# KiCad board oibus-mini-CCC_PANEL.kicad_pcb (continued)
## Placement (name value [footprint] x y rotation side) (continued)
U4#20  MCP73831-2-OT  [SOT-23-5]  128.75 138.76 180 top
U4#21  MCP73831-2-OT  [SOT-23-5]  54.75 138.76 180 top
U4#22  MCP73831-2-OT  [SOT-23-5]  165.75 138.76 180 top
U4#23  MCP73831-2-OT  [SOT-23-5]  17.75 204.76 180 top
U4#24  MCP73831-2-OT  [SOT-23-5]  276.75 138.76 180 top
U4#25  MCP73831-2-OT  [SOT-23-5]  239.75 138.76 180 top
U4#26  MCP73831-2-OT  [SOT-23-5]  202.75 204.76 180 top
U4#27  MCP73831-2-OT  [SOT-23-5]  91.75 204.76 180 top
U4#28  MCP73831-2-OT  [SOT-23-5]  128.75 204.76 180 top
U4#29  MCP73831-2-OT  [SOT-23-5]  54.75 204.76 180 top
U4#30  MCP73831-2-OT  [SOT-23-5]  165.75 204.76 180 top
U4#31  MCP73831-2-OT  [SOT-23-5]  276.75 204.76 180 top
U4#32  MCP73831-2-OT  [SOT-23-5]  239.75 204.76 180 top
U5  MCP1624T  [SOT-23-6]  15.8 21.16 270 top
U5#2  MCP1624T  [SOT-23-6]  52.8 21.16 270 top
U5#3  MCP1624T  [SOT-23-6]  89.8 21.16 270 top
U5#4  MCP1624T  [SOT-23-6]  126.8 21.16 270 top
U5#5  MCP1624T  [SOT-23-6]  163.8 21.16 270 top
U5#6  MCP1624T  [SOT-23-6]  200.8 21.16 270 top
U5#7  MCP1624T  [SOT-23-6]  274.8 21.16 270 top
U5#8  MCP1624T  [SOT-23-6]  237.8 21.16 270 top
U5#9  MCP1624T  [SOT-23-6]  15.8 87.16 270 top
U5#10  MCP1624T  [SOT-23-6]  200.8 87.16 270 top
U5#11  MCP1624T  [SOT-23-6]  89.8 87.16 270 top
U5#12  MCP1624T  [SOT-23-6]  126.8 87.16 270 top
U5#13  MCP1624T  [SOT-23-6]  52.8 87.16 270 top
U5#14  MCP1624T  [SOT-23-6]  163.8 87.16 270 top
U5#15  MCP1624T  [SOT-23-6]  274.8 87.16 270 top
U5#16  MCP1624T  [SOT-23-6]  237.8 87.16 270 top
U5#17  MCP1624T  [SOT-23-6]  15.8 153.16 270 top
U5#18  MCP1624T  [SOT-23-6]  200.8 153.16 270 top
U5#19  MCP1624T  [SOT-23-6]  89.8 153.16 270 top
U5#20  MCP1624T  [SOT-23-6]  126.8 153.16 270 top
U5#21  MCP1624T  [SOT-23-6]  52.8 153.16 270 top
U5#22  MCP1624T  [SOT-23-6]  163.8 153.16 270 top
U5#23  MCP1624T  [SOT-23-6]  274.8 153.16 270 top
U5#24  MCP1624T  [SOT-23-6]  15.8 219.16 270 top
U5#25  MCP1624T  [SOT-23-6]  237.8 153.16 270 top
U5#26  MCP1624T  [SOT-23-6]  200.8 219.16 270 top
U5#27  MCP1624T  [SOT-23-6]  89.8 219.16 270 top
U5#28  MCP1624T  [SOT-23-6]  126.8 219.16 270 top
U5#29  MCP1624T  [SOT-23-6]  52.8 219.16 270 top
U5#30  MCP1624T  [SOT-23-6]  163.8 219.16 270 top
U5#31  MCP1624T  [SOT-23-6]  274.8 219.16 270 top
U5#32  MCP1624T  [SOT-23-6]  237.8 219.16 270 top
U6  SHT31-DIS-B  [SON50P250X250X100-9N]  4 20.81 0 top
U6#2  SHT31-DIS-B  [SON50P250X250X100-9N]  41 20.81 0 top
U6#3  SHT31-DIS-B  [SON50P250X250X100-9N]  78 20.81 0 top
U6#4  SHT31-DIS-B  [SON50P250X250X100-9N]  115 20.81 0 top
U6#5  SHT31-DIS-B  [SON50P250X250X100-9N]  152 20.81 0 top
U6#6  SHT31-DIS-B  [SON50P250X250X100-9N]  189 20.81 0 top
U6#7  SHT31-DIS-B  [SON50P250X250X100-9N]  226 20.81 0 top
U6#8  SHT31-DIS-B  [SON50P250X250X100-9N]  263 20.81 0 top
U6#9  SHT31-DIS-B  [SON50P250X250X100-9N]  78 86.81 0 top
U6#10  SHT31-DIS-B  [SON50P250X250X100-9N]  4 86.81 0 top
U6#11  SHT31-DIS-B  [SON50P250X250X100-9N]  115 86.81 0 top
U6#12  SHT31-DIS-B  [SON50P250X250X100-9N]  41 86.81 0 top
U6#13  SHT31-DIS-B  [SON50P250X250X100-9N]  152 86.81 0 top
U6#14  SHT31-DIS-B  [SON50P250X250X100-9N]  189 86.81 0 top
U6#15  SHT31-DIS-B  [SON50P250X250X100-9N]  226 86.81 0 top
U6#16  SHT31-DIS-B  [SON50P250X250X100-9N]  263 86.81 0 top
U6#17  SHT31-DIS-B  [SON50P250X250X100-9N]  78 152.81 0 top
U6#18  SHT31-DIS-B  [SON50P250X250X100-9N]  4 152.81 0 top
U6#19  SHT31-DIS-B  [SON50P250X250X100-9N]  115 152.81 0 top
U6#20  SHT31-DIS-B  [SON50P250X250X100-9N]  41 152.81 0 top
U6#21  SHT31-DIS-B  [SON50P250X250X100-9N]  152 152.81 0 top
U6#22  SHT31-DIS-B  [SON50P250X250X100-9N]  189 152.81 0 top
U6#23  SHT31-DIS-B  [SON50P250X250X100-9N]  78 218.81 0 top
U6#24  SHT31-DIS-B  [SON50P250X250X100-9N]  4 218.81 0 top
U6#25  SHT31-DIS-B  [SON50P250X250X100-9N]  226 152.81 0 top
U6#26  SHT31-DIS-B  [SON50P250X250X100-9N]  263 152.81 0 top
U6#27  SHT31-DIS-B  [SON50P250X250X100-9N]  115 218.81 0 top
U6#28  SHT31-DIS-B  [SON50P250X250X100-9N]  41 218.81 0 top
U6#29  SHT31-DIS-B  [SON50P250X250X100-9N]  152 218.81 0 top
U6#30  SHT31-DIS-B  [SON50P250X250X100-9N]  189 218.81 0 top
U6#31  SHT31-DIS-B  [SON50P250X250X100-9N]  226 218.81 0 top
U6#32  SHT31-DIS-B  [SON50P250X250X100-9N]  263 218.81 0 top
U7  TCAN330  [SOT-23-8]  30.7 26.41 270 top
U7#2  TCAN330  [SOT-23-8]  67.7 26.41 270 top
U7#3  TCAN330  [SOT-23-8]  141.7 26.41 270 top
U7#4  TCAN330  [SOT-23-8]  104.7 26.41 270 top
U7#5  TCAN330  [SOT-23-8]  215.7 26.41 270 top
U7#6  TCAN330  [SOT-23-8]  178.7 26.41 270 top
U7#7  TCAN330  [SOT-23-8]  289.7 26.41 270 top
U7#8  TCAN330  [SOT-23-8]  252.7 26.41 270 top
U7#9  TCAN330  [SOT-23-8]  67.7 92.41 270 top
U7#10  TCAN330  [SOT-23-8]  30.7 92.41 270 top
U7#11  TCAN330  [SOT-23-8]  215.7 92.41 270 top
U7#12  TCAN330  [SOT-23-8]  178.7 92.41 270 top
U7#13  TCAN330  [SOT-23-8]  141.7 92.41 270 top
U7#14  TCAN330  [SOT-23-8]  104.7 92.41 270 top
U7#15  TCAN330  [SOT-23-8]  289.7 92.41 270 top
U7#16  TCAN330  [SOT-23-8]  252.7 92.41 270 top
U7#17  TCAN330  [SOT-23-8]  67.7 158.41 270 top
U7#18  TCAN330  [SOT-23-8]  30.7 158.41 270 top
U7#19  TCAN330  [SOT-23-8]  215.7 158.41 270 top
U7#20  TCAN330  [SOT-23-8]  178.7 158.41 270 top
U7#21  TCAN330  [SOT-23-8]  141.7 158.41 270 top
U7#22  TCAN330  [SOT-23-8]  104.7 158.41 270 top
U7#23  TCAN330  [SOT-23-8]  67.7 224.41 270 top
U7#24  TCAN330  [SOT-23-8]  30.7 224.41 270 top
U7#25  TCAN330  [SOT-23-8]  289.7 158.41 270 top
U7#26  TCAN330  [SOT-23-8]  252.7 158.41 270 top
U7#27  TCAN330  [SOT-23-8]  215.7 224.41 270 top
U7#28  TCAN330  [SOT-23-8]  178.7 224.41 270 top
U7#29  TCAN330  [SOT-23-8]  141.7 224.41 270 top
U7#30  TCAN330  [SOT-23-8]  104.7 224.41 270 top
U7#31  TCAN330  [SOT-23-8]  289.7 224.41 270 top
U7#32  TCAN330  [SOT-23-8]  252.7 224.41 270 top
U8  STM32F303CCTx  [LQFP-48_7x7mm_P0.5mm]  26.14 36.51 180 top
U8#2  STM32F303CCTx  [LQFP-48_7x7mm_P0.5mm]  63.14 36.51 180 top
U8#3  STM32F303CCTx  [LQFP-48_7x7mm_P0.5mm]  137.14 36.51 180 top
U8#4  STM32F303CCTx  [LQFP-48_7x7mm_P0.5mm]  100.14 36.51 180 top
U8#5  STM32F303CCTx  [LQFP-48_7x7mm_P0.5mm]  211.14 36.51 180 top
U8#6  STM32F303CCTx  [LQFP-48_7x7mm_P0.5mm]  174.14 36.51 180 top
U8#7  STM32F303CCTx  [LQFP-48_7x7mm_P0.5mm]  248.14 36.51 180 top
U8#8  STM32F303CCTx  [LQFP-48_7x7mm_P0.5mm]  285.14 36.51 180 top
U8#9  STM32F303CCTx  [LQFP-48_7x7mm_P0.5mm]  63.14 102.51 180 top
U8#10  STM32F303CCTx  [LQFP-48_7x7mm_P0.5mm]  137.14 102.51 180 top
U8#11  STM32F303CCTx  [LQFP-48_7x7mm_P0.5mm]  26.14 102.51 180 top
U8#12  STM32F303CCTx  [LQFP-48_7x7mm_P0.5mm]  174.14 102.51 180 top
U8#13  STM32F303CCTx  [LQFP-48_7x7mm_P0.5mm]  100.14 102.51 180 top
U8#14  STM32F303CCTx  [LQFP-48_7x7mm_P0.5mm]  211.14 102.51 180 top
U8#15  STM32F303CCTx  [LQFP-48_7x7mm_P0.5mm]  248.14 102.51 180 top
U8#16  STM32F303CCTx  [LQFP-48_7x7mm_P0.5mm]  285.14 102.51 180 top
U8#17  STM32F303CCTx  [LQFP-48_7x7mm_P0.5mm]  63.14 168.51 180 top
U8#18  STM32F303CCTx  [LQFP-48_7x7mm_P0.5mm]  137.14 168.51 180 top
U8#19  STM32F303CCTx  [LQFP-48_7x7mm_P0.5mm]  26.14 168.51 180 top
U8#20  STM32F303CCTx  [LQFP-48_7x7mm_P0.5mm]  174.14 168.51 180 top
U8#21  STM32F303CCTx  [LQFP-48_7x7mm_P0.5mm]  63.14 234.51 180 top
U8#22  STM32F303CCTx  [LQFP-48_7x7mm_P0.5mm]  100.14 168.51 180 top
U8#23  STM32F303CCTx  [LQFP-48_7x7mm_P0.5mm]  211.14 168.51 180 top
U8#24  STM32F303CCTx  [LQFP-48_7x7mm_P0.5mm]  137.14 234.51 180 top
U8#25  STM32F303CCTx  [LQFP-48_7x7mm_P0.5mm]  26.14 234.51 180 top
U8#26  STM32F303CCTx  [LQFP-48_7x7mm_P0.5mm]  248.14 168.51 180 top
U8#27  STM32F303CCTx  [LQFP-48_7x7mm_P0.5mm]  285.14 168.51 180 top
U8#28  STM32F303CCTx  [LQFP-48_7x7mm_P0.5mm]  174.14 234.51 180 top
U8#29  STM32F303CCTx  [LQFP-48_7x7mm_P0.5mm]  100.14 234.51 180 top
U8#30  STM32F303CCTx  [LQFP-48_7x7mm_P0.5mm]  211.14 234.51 180 top
U8#31  STM32F303CCTx  [LQFP-48_7x7mm_P0.5mm]  248.14 234.51 180 top
U8#32  STM32F303CCTx  [LQFP-48_7x7mm_P0.5mm]  285.14 234.51 180 top
U9  DW01C-G  [SOT-23-6]  13.94 3.61 90 top
U9#2  DW01C-G  [SOT-23-6]  50.94 3.61 90 top
U9#3  DW01C-G  [SOT-23-6]  87.94 3.61 90 top
U9#4  DW01C-G  [SOT-23-6]  124.94 3.61 90 top
U9#5  DW01C-G  [SOT-23-6]  161.94 3.61 90 top
U9#6  DW01C-G  [SOT-23-6]  198.94 3.61 90 top
U9#7  DW01C-G  [SOT-23-6]  272.94 3.61 90 top
U9#8  DW01C-G  [SOT-23-6]  235.94 3.61 90 top
U9#9  DW01C-G  [SOT-23-6]  13.94 69.61 90 top
U9#10  DW01C-G  [SOT-23-6]  198.94 69.61 90 top
U9#11  DW01C-G  [SOT-23-6]  87.94 69.61 90 top
U9#12  DW01C-G  [SOT-23-6]  124.94 69.61 90 top
U9#13  DW01C-G  [SOT-23-6]  50.94 69.61 90 top
U9#14  DW01C-G  [SOT-23-6]  161.94 69.61 90 top
U9#15  DW01C-G  [SOT-23-6]  272.94 69.61 90 top
U9#16  DW01C-G  [SOT-23-6]  235.94 69.61 90 top
U9#17  DW01C-G  [SOT-23-6]  13.94 135.61 90 top
U9#18  DW01C-G  [SOT-23-6]  198.94 135.61 90 top
U9#19  DW01C-G  [SOT-23-6]  87.94 135.61 90 top
U9#20  DW01C-G  [SOT-23-6]  124.94 135.61 90 top
U9#21  DW01C-G  [SOT-23-6]  50.94 135.61 90 top
U9#22  DW01C-G  [SOT-23-6]  161.94 135.61 90 top
U9#23  DW01C-G  [SOT-23-6]  13.94 201.61 90 top
U9#24  DW01C-G  [SOT-23-6]  272.94 135.61 90 top
U9#25  DW01C-G  [SOT-23-6]  235.94 135.61 90 top
U9#26  DW01C-G  [SOT-23-6]  198.94 201.61 90 top
U9#27  DW01C-G  [SOT-23-6]  87.94 201.61 90 top
U9#28  DW01C-G  [SOT-23-6]  124.94 201.61 90 top
U9#29  DW01C-G  [SOT-23-6]  50.94 201.61 90 top
U9#30  DW01C-G  [SOT-23-6]  161.94 201.61 90 top
U9#31  DW01C-G  [SOT-23-6]  272.94 201.61 90 top
U9#32  DW01C-G  [SOT-23-6]  235.94 201.61 90 top
U10  TPD3E001DRLR  [SOT-553]  8 12.51 0 top
U10#2  TPD3E001DRLR  [SOT-553]  45 12.51 0 top
U10#3  TPD3E001DRLR  [SOT-553]  82 12.51 0 top
U10#4  TPD3E001DRLR  [SOT-553]  119 12.51 0 top
U10#5  TPD3E001DRLR  [SOT-553]  156 12.51 0 top
U10#6  TPD3E001DRLR  [SOT-553]  193 12.51 0 top
U10#7  TPD3E001DRLR  [SOT-553]  267 12.51 0 top
U10#8  TPD3E001DRLR  [SOT-553]  230 12.51 0 top
U10#9  TPD3E001DRLR  [SOT-553]  8 78.51 0 top
U10#10  TPD3E001DRLR  [SOT-553]  193 78.51 0 top
U10#11  TPD3E001DRLR  [SOT-553]  82 78.51 0 top
U10#12  TPD3E001DRLR  [SOT-553]  119 78.51 0 top
U10#13  TPD3E001DRLR  [SOT-553]  45 78.51 0 top
U10#14  TPD3E001DRLR  [SOT-553]  156 78.51 0 top
U10#15  TPD3E001DRLR  [SOT-553]  267 78.51 0 top
U10#16  TPD3E001DRLR  [SOT-553]  230 78.51 0 top
U10#17  TPD3E001DRLR  [SOT-553]  8 144.51 0 top
U10#18  TPD3E001DRLR  [SOT-553]  193 144.51 0 top
U10#19  TPD3E001DRLR  [SOT-553]  82 144.51 0 top
U10#20  TPD3E001DRLR  [SOT-553]  119 144.51 0 top
U10#21  TPD3E001DRLR  [SOT-553]  45 144.51 0 top
U10#22  TPD3E001DRLR  [SOT-553]  156 144.51 0 top
U10#23  TPD3E001DRLR  [SOT-553]  267 144.51 0 top
U10#24  TPD3E001DRLR  [SOT-553]  8 210.51 0 top
U10#25  TPD3E001DRLR  [SOT-553]  230 144.51 0 top
U10#26  TPD3E001DRLR  [SOT-553]  193 210.51 0 top
U10#27  TPD3E001DRLR  [SOT-553]  82 210.51 0 top
U10#28  TPD3E001DRLR  [SOT-553]  119 210.51 0 top
U10#29  TPD3E001DRLR  [SOT-553]  45 210.51 0 top
U10#30  TPD3E001DRLR  [SOT-553]  156 210.51 0 top
U10#31  TPD3E001DRLR  [SOT-553]  267 210.51 0 top
U10#32  TPD3E001DRLR  [SOT-553]  230 210.51 0 top
Y1  16M  [Crystal_SMD_SeikoEpson_FA238-4Pin_3.2x2.5mm]  35.04 39.26 90 top
Y1#2  16M  [Crystal_SMD_SeikoEpson_FA238-4Pin_3.2x2.5mm]  72.04 39.26 90 top
Y1#3  16M  [Crystal_SMD_SeikoEpson_FA238-4Pin_3.2x2.5mm]  146.04 39.26 90 top
Y1#4  16M  [Crystal_SMD_SeikoEpson_FA238-4Pin_3.2x2.5mm]  109.04 39.26 90 top
Y1#5  16M  [Crystal_SMD_SeikoEpson_FA238-4Pin_3.2x2.5mm]  220.04 39.26 90 top
Y1#6  16M  [Crystal_SMD_SeikoEpson_FA238-4Pin_3.2x2.5mm]  183.04 39.26 90 top
Y1#7  16M  [Crystal_SMD_SeikoEpson_FA238-4Pin_3.2x2.5mm]  294.04 39.26 90 top
Y1#8  16M  [Crystal_SMD_SeikoEpson_FA238-4Pin_3.2x2.5mm]  257.04 39.26 90 top
Y1#9  16M  [Crystal_SMD_SeikoEpson_FA238-4Pin_3.2x2.5mm]  72.04 105.26 90 top
Y1#10  16M  [Crystal_SMD_SeikoEpson_FA238-4Pin_3.2x2.5mm]  35.04 105.26 90 top
Y1#11  16M  [Crystal_SMD_SeikoEpson_FA238-4Pin_3.2x2.5mm]  220.04 105.26 90 top
Y1#12  16M  [Crystal_SMD_SeikoEpson_FA238-4Pin_3.2x2.5mm]  183.04 105.26 90 top
Y1#13  16M  [Crystal_SMD_SeikoEpson_FA238-4Pin_3.2x2.5mm]  146.04 105.26 90 top
Y1#14  16M  [Crystal_SMD_SeikoEpson_FA238-4Pin_3.2x2.5mm]  109.04 105.26 90 top
Y1#15  16M  [Crystal_SMD_SeikoEpson_FA238-4Pin_3.2x2.5mm]  294.04 105.26 90 top
Y1#16  16M  [Crystal_SMD_SeikoEpson_FA238-4Pin_3.2x2.5mm]  257.04 105.26 90 top
Y1#17  16M  [Crystal_SMD_SeikoEpson_FA238-4Pin_3.2x2.5mm]  72.04 171.26 90 top
Y1#18  16M  [Crystal_SMD_SeikoEpson_FA238-4Pin_3.2x2.5mm]  35.04 171.26 90 top
Y1#19  16M  [Crystal_SMD_SeikoEpson_FA238-4Pin_3.2x2.5mm]  220.04 171.26 90 top
Y1#20  16M  [Crystal_SMD_SeikoEpson_FA238-4Pin_3.2x2.5mm]  183.04 171.26 90 top
Y1#21  16M  [Crystal_SMD_SeikoEpson_FA238-4Pin_3.2x2.5mm]  146.04 171.26 90 top
Y1#22  16M  [Crystal_SMD_SeikoEpson_FA238-4Pin_3.2x2.5mm]  109.04 171.26 90 top
Y1#23  16M  [Crystal_SMD_SeikoEpson_FA238-4Pin_3.2x2.5mm]  72.04 237.26 90 top
Y1#24  16M  [Crystal_SMD_SeikoEpson_FA238-4Pin_3.2x2.5mm]  35.04 237.26 90 top
Y1#25  16M  [Crystal_SMD_SeikoEpson_FA238-4Pin_3.2x2.5mm]  294.04 171.26 90 top
Y1#26  16M  [Crystal_SMD_SeikoEpson_FA238-4Pin_3.2x2.5mm]  257.04 171.26 90 top
Y1#27  16M  [Crystal_SMD_SeikoEpson_FA238-4Pin_3.2x2.5mm]  220.04 237.26 90 top
Y1#28  16M  [Crystal_SMD_SeikoEpson_FA238-4Pin_3.2x2.5mm]  183.04 237.26 90 top
Y1#29  16M  [Crystal_SMD_SeikoEpson_FA238-4Pin_3.2x2.5mm]  146.04 237.26 90 top
Y1#30  16M  [Crystal_SMD_SeikoEpson_FA238-4Pin_3.2x2.5mm]  109.04 237.26 90 top
Y1#31  16M  [Crystal_SMD_SeikoEpson_FA238-4Pin_3.2x2.5mm]  294.04 237.26 90 top
Y1#32  16M  [Crystal_SMD_SeikoEpson_FA238-4Pin_3.2x2.5mm]  257.04 237.26 90 top
Y2  32kHz  [Crystal_SMD_MicroCrystal_CC7V-T1A-2Pin_3.2x1.5mm]  35 31.51 90 top
Y2#2  32kHz  [Crystal_SMD_MicroCrystal_CC7V-T1A-2Pin_3.2x1.5mm]  72 31.51 90 top
Y2#3  32kHz  [Crystal_SMD_MicroCrystal_CC7V-T1A-2Pin_3.2x1.5mm]  109 31.51 90 top
Y2#4  32kHz  [Crystal_SMD_MicroCrystal_CC7V-T1A-2Pin_3.2x1.5mm]  146 31.51 90 top
Y2#5  32kHz  [Crystal_SMD_MicroCrystal_CC7V-T1A-2Pin_3.2x1.5mm]  183 31.51 90 top
Y2#6  32kHz  [Crystal_SMD_MicroCrystal_CC7V-T1A-2Pin_3.2x1.5mm]  220 31.51 90 top
Y2#7  32kHz  [Crystal_SMD_MicroCrystal_CC7V-T1A-2Pin_3.2x1.5mm]  294 31.51 90 top
Y2#8  32kHz  [Crystal_SMD_MicroCrystal_CC7V-T1A-2Pin_3.2x1.5mm]  257 31.51 90 top
Y2#9  32kHz  [Crystal_SMD_MicroCrystal_CC7V-T1A-2Pin_3.2x1.5mm]  35 97.51 90 top
Y2#10  32kHz  [Crystal_SMD_MicroCrystal_CC7V-T1A-2Pin_3.2x1.5mm]  220 97.51 90 top
Y2#11  32kHz  [Crystal_SMD_MicroCrystal_CC7V-T1A-2Pin_3.2x1.5mm]  109 97.51 90 top
Y2#12  32kHz  [Crystal_SMD_MicroCrystal_CC7V-T1A-2Pin_3.2x1.5mm]  146 97.51 90 top
Y2#13  32kHz  [Crystal_SMD_MicroCrystal_CC7V-T1A-2Pin_3.2x1.5mm]  72 97.51 90 top
Y2#14  32kHz  [Crystal_SMD_MicroCrystal_CC7V-T1A-2Pin_3.2x1.5mm]  183 97.51 90 top
Y2#15  32kHz  [Crystal_SMD_MicroCrystal_CC7V-T1A-2Pin_3.2x1.5mm]  294 97.51 90 top
Y2#16  32kHz  [Crystal_SMD_MicroCrystal_CC7V-T1A-2Pin_3.2x1.5mm]  257 97.51 90 top
Y2#17  32kHz  [Crystal_SMD_MicroCrystal_CC7V-T1A-2Pin_3.2x1.5mm]  35 163.51 90 top
Y2#18  32kHz  [Crystal_SMD_MicroCrystal_CC7V-T1A-2Pin_3.2x1.5mm]  220 163.51 90 top
Y2#19  32kHz  [Crystal_SMD_MicroCrystal_CC7V-T1A-2Pin_3.2x1.5mm]  109 163.51 90 top
Y2#20  32kHz  [Crystal_SMD_MicroCrystal_CC7V-T1A-2Pin_3.2x1.5mm]  146 163.51 90 top
Y2#21  32kHz  [Crystal_SMD_MicroCrystal_CC7V-T1A-2Pin_3.2x1.5mm]  72 163.51 90 top
Y2#22  32kHz  [Crystal_SMD_MicroCrystal_CC7V-T1A-2Pin_3.2x1.5mm]  183 163.51 90 top
Y2#23  32kHz  [Crystal_SMD_MicroCrystal_CC7V-T1A-2Pin_3.2x1.5mm]  35 229.51 90 top
Y2#24  32kHz  [Crystal_SMD_MicroCrystal_CC7V-T1A-2Pin_3.2x1.5mm]  294 163.51 90 top
Y2#25  32kHz  [Crystal_SMD_MicroCrystal_CC7V-T1A-2Pin_3.2x1.5mm]  257 163.51 90 top
Y2#26  32kHz  [Crystal_SMD_MicroCrystal_CC7V-T1A-2Pin_3.2x1.5mm]  220 229.51 90 top
Y2#27  32kHz  [Crystal_SMD_MicroCrystal_CC7V-T1A-2Pin_3.2x1.5mm]  109 229.51 90 top
Y2#28  32kHz  [Crystal_SMD_MicroCrystal_CC7V-T1A-2Pin_3.2x1.5mm]  146 229.51 90 top
Y2#29  32kHz  [Crystal_SMD_MicroCrystal_CC7V-T1A-2Pin_3.2x1.5mm]  72 229.51 90 top
Y2#30  32kHz  [Crystal_SMD_MicroCrystal_CC7V-T1A-2Pin_3.2x1.5mm]  183 229.51 90 top
Y2#31  32kHz  [Crystal_SMD_MicroCrystal_CC7V-T1A-2Pin_3.2x1.5mm]  294 229.51 90 top
Y2#32  32kHz  [Crystal_SMD_MicroCrystal_CC7V-T1A-2Pin_3.2x1.5mm]  257 229.51 90 top

## Footprints (pads in the part's own frame, mm; a bottom-side part is the same pattern mirrored in y, then rotated)
C_0603_1608Metric
  rrect 0.875x0.95 smd: 1(-0.787,0) 2(0.787,0)
C_0805_2012Metric
  rrect 0.975x1.4 smd: 1(-0.938,0) 2(0.938,0)
C_Elec_5x5.4
  rrect 2.775x1.6 smd: 1(-2.062,0) 2(2.062,0)
Crystal_SMD_MicroCrystal_CC7V-T1A-2Pin_3.2x1.5mm
  rect 1x1.8 smd: 1(-1.25,0) 2(1.25,0)
Crystal_SMD_SeikoEpson_FA238-4Pin_3.2x2.5mm
  rect 1.4x1.2 smd: 1(-1.1,-0.8) 2(1.1,-0.8) 3(1.1,0.8) 4(-1.1,0.8)
D_SOD-123F
  rect 1.1x1.1 smd: 1(-1.4,0) 2(1.4,0)
Fiducial_0.5mm_Mask1mm
  round 0.5 smd: (0,0)
Grove_1x04
  round 1.524 hole 0.762: 1(0,0) 2(0,-2) 3(0,-4) 4(0,-6)
JST_PH_S2B-PH-K_1x02_P2.00mm_Horizontal
  rrect 1.2x1.75 hole 0.75: 1(0,0)
  oval 1.2x1.75 hole 0.75: 2(2,0)
L_0603_1608Metric
  rrect 0.875x0.95 smd: 1(-0.787,0) 2(0.787,0)
L_0805_2012Metric
  rrect 0.975x1.4 smd: 1(-0.938,0) 2(0.938,0)
L_Wuerth_MAPI-3010
  rect 1.3x3.4 smd: 1(-1.05,0) 2(1.05,0)
LED_0603_1608Metric
  rrect 0.875x0.95 smd: 1(-0.787,0) 2(0.787,0)
LED_RGB_1210
  rect 1.5x1 smd: 1(-1.75,0.7) 2(-1.75,-0.7) 3(1.75,-0.7) 4(1.75,0.7)
LQFP-48_7x7mm_P0.5mm
  rrect 1.475x0.3 smd: 1(-4.162,2.75) 2(-4.162,2.25) 3(-4.162,1.75) 4(-4.162,1.25) 5(-4.162,0.75) 6(-4.162,0.25) 7(-4.162,-0.25) 8(-4.162,-0.75) 9(-4.162,-1.25) 10(-4.162,-1.75) 11(-4.162,-2.25) 12(-4.162,-2.75) 25(4.162,-2.75) 26(4.162,-2.25) 27(4.162,-1.75) 28(4.162,-1.25) 29(4.162,-0.75) 30(4.162,-0.25) 31(4.162,0.25) 32(4.162,0.75) 33(4.162,1.25) 34(4.162,1.75) 35(4.162,2.25) 36(4.162,2.75)
  rrect 0.3x1.475 smd: 13(-2.75,-4.162) 14(-2.25,-4.162) 15(-1.75,-4.162) 16(-1.25,-4.162) 17(-0.75,-4.162) 18(-0.25,-4.162) 19(0.25,-4.162) 20(0.75,-4.162) 21(1.25,-4.162) 22(1.75,-4.162) 23(2.25,-4.162) 24(2.75,-4.162) 37(2.75,4.162) 38(2.25,4.162) 39(1.75,4.162) 40(1.25,4.162) 41(0.75,4.162) 42(0.25,4.162) 43(-0.25,4.162) 44(-0.75,4.162) 45(-1.25,4.162) 46(-1.75,4.162) 47(-2.25,4.162) 48(-2.75,4.162)
Molex_PicoBlade_53048-0510_1x05_P1.25mm_Horizontal
  rrect 0.8x1.3 hole 0.5: 1(0,0)
  oval 0.8x1.3 hole 0.5: 2(1.25,0) 3(2.5,0) 4(3.75,0) 5(5,0)
MountingHole_3.2mm_M3_DIN965_Pad
  round 5.6 hole 3.2: 1(0,0)
OIBUS12_connector
  rect 1.7x1.7 hole 1: 1(0,0)
  oval 1.7x1.7 hole 1: 2(2.54,0) 3(0,-2.54) 4(2.54,-2.54) 5(0,-5.08) 6(2.54,-5.08) 7(0,-7.62) 8(2.54,-7.62) 9(0,-10.16) 10(2.54,-10.16) 11(0,-12.7) 12(2.54,-12.7)
R_0603_1608Metric
  rrect 0.875x0.95 smd: 1(-0.787,0) 2(0.787,0)
SolderJumper-2_P1.3mm_Open_RoundedPad1.0x1.5mm
  custom 1x1.5 smd: 1(-0.65,0) 2(0.65,0)
SON50P250X250X100-9N
  rect 0.8x0.3 smd: 1(-1.2,0.75) 2(-1.2,0.25) 3(-1.2,-0.25) 4(-1.2,-0.75) 5(1.2,-0.75) 6(1.2,-0.25) 7(1.2,0.25) 8(1.2,0.75)
  rect 0.2x1 smd: 9(0,0)
SOT-23
  rect 0.9x0.8 smd: 1(-1,0.95) 2(-1,-0.95) 3(1,0)
SOT-23-5
  rect 1.06x0.65 smd: 1(-1.1,0.95) 2(-1.1,0) 3(-1.1,-0.95) 4(1.1,-0.95) 5(1.1,0.95)
SOT-23-6
  rect 1.06x0.65 smd: 1(-1.1,0.95) 2(-1.1,0) 3(-1.1,-0.95) 4(1.1,-0.95) 5(1.1,0) 6(1.1,0.95)
SOT-23-8
  rect 1.06x0.4 smd: 1(-1.1,0.98) 2(-1.1,0.33) 3(-1.1,-0.33) 4(-1.1,-0.98) 5(1.1,-0.98) 6(1.1,-0.33) 7(1.1,0.33) 8(1.1,0.98)
SOT-323_SC-70
  rect 0.7x0.45 smd: 1(-1,0.65) 2(-1,-0.65) 3(1,0)
SOT-553
  rect 0.45x0.3 smd: 1(-0.7,0.5) 2(-0.7,0) 3(-0.7,-0.5) 4(0.7,-0.5) 5(0.7,0.5)
SW_SPST_B3U-1000P
  rect 0.9x1.7 smd: 1(-1.7,0) 2(1.7,0)
SW_SPST_EVQP7C
  round 0.7 hole 0.7 unplated: (0,0.9) (0,-0.9)
  rect 1.4x1.05 smd: 1(-1.8,0.72) 1(1.8,0.72) 2(-1.8,-0.72) 2(1.8,-0.72)
TC2030-MCP-NL
  round 0.991 hole 0.991 unplated: (-2.54,0) (2.54,1.016) (2.54,-1.016)
  round 0.787 smd: 1(-1.27,-0.635) 2(-1.27,0.635) 3(0,-0.635) 4(0,0.635) 5(1.27,-0.635) 6(1.27,0.635)
USB_Micro-B_Molex-105017-0001
  rect 0.4x1.35 smd: 1(-1.3,1.462) 2(-0.65,1.462) 3(0,1.462) 4(0.65,1.462) 5(1.3,1.462)
  oval 1.2x1.9 hole 0.6x1.3: 6(-3.5,-1.238) 6(3.5,-1.238)
  rect 1.2x1.9 smd: 6(-2.9,-1.238) 6(2.9,-1.238)
  round 1.45 hole 0.85: 6(-2.5,1.462) 6(2.5,1.462)
  rect 1.5x1.9 smd: 6(-1,-1.238) 6(1,-1.238)
XCVR_NINA-B312-00B
  rect 1.15x0.7 smd: 1(-4.125,4) 2(-4.125,3) 3(-4.125,2) 4(-4.125,1) 5(-4.125,0) 6(-4.125,-1) 7(-4.125,-2) 8(-4.125,-3) 9(-4.125,-4) 10(-4.125,-5) 16(4.125,-5) 17(4.125,-4) 18(4.125,-3) 19(4.125,-2) 20(4.125,-1) 21(4.125,0) 22(4.125,1) 23(4.125,2) 24(4.125,3) 25(4.125,4)
  rect 0.7x1.15 smd: 11(-2,-4.925) 12(-1,-4.925) 13(0,-4.925) 14(1,-4.925) 15(2,-4.925) 26(2,3.925) 27(1,3.925) 28(0,3.925) 29(-1,3.925) 30(-2,3.925)
  rect 0.7x0.7 smd: 31(-2.75,2.55) 32(-2.75,1.45) 33(-2.75,0.35) 34(-2.75,-0.75) 35(-2.75,-1.85) 36(-2.75,-2.95) 37(2.75,-2.95) 38(2.75,-1.85) 39(2.75,-0.75) 40(2.75,0.35) 41(2.75,1.45) 42(2.75,2.55) 43(1.65,2.55) 44(0.55,2.55) 45(-0.55,2.55) 46(-1.65,2.55) 47(4,5.15) 48(3,5.15) 49(2,5.15) 50(1,5.15) 51(0,5.15) 52(-1,5.15) 53(-2,5.15) 54(-3,5.15) 55(-4,5.15) EGP1(-0.575,1.225) EGP2(0.575,1.225) EGP3(-1.725,0.075) EGP4(-0.575,0.075) EGP5(0.575,0.075) EGP6(1.725,0.075) EGP7(-0.575,-1.075) EGP8(0.575,-1.075) EGP9(-1.725,-2.225) EGP10(-0.575,-2.225) EGP11(0.575,-2.225) EGP12(1.725,-2.225)
XCVR_SAM-M8Q
  rect 1.8x1.5 smd: 1(-6.6,3.8) 2(-6.6,1.9) 3(-6.6,0) 4(-6.6,-1.9) 5(-6.6,-3.8) 11(6.6,-3.8) 12(6.6,-1.9) 13(6.6,0) 14(6.6,1.9) 15(6.6,3.8)
  rect 1.5x1.8 smd: 6(-3.8,-6.6) 7(-1.9,-6.6) 8(0,-6.6) 9(1.9,-6.6) 10(3.8,-6.6) 16(3.8,6.6) 17(1.9,6.6) 18(0,6.6) 19(-1.9,6.6) 20(-3.8,6.6)

## Nets
+3V3: C3.2 C3#2.2 C3#3.2 C3#4.2 C3#5.2 C3#6.2 C3#7.2 C3#8.2 C3#9.2 C3#10.2 C3#11.2 C3#12.2 C3#13.2 C3#14.2 C3#15.2 C3#16.2 C3#17.2 C3#18.2 C3#19.2 C3#20.2 C3#21.2 C3#22.2 C3#23.2 C3#24.2 C3#25.2 C3#26.2 C3#27.2 C3#28.2 C3#29.2 C3#30.2 C3#31.2 C3#32.2 C5.2 C5#2.2 C5#3.2 C5#4.2 C5#5.2 C5#6.2 C5#7.2 C5#8.2 C5#9.2 C5#10.2 C5#11.2 C5#12.2 C5#13.2 C5#14.2 C5#15.2 C5#16.2 C5#17.2 C5#18.2 C5#19.2 C5#20.2 C5#21.2 C5#22.2 C5#23.2 C5#24.2 C5#25.2 C5#26.2 C5#27.2 C5#28.2 C5#29.2 C5#30.2 C5#31.2 C5#32.2 C10.2 C10#2.2 C10#3.2 C10#4.2 C10#5.2 C10#6.2 C10#7.2 C10#8.2 C10#9.2 C10#10.2 C10#11.2 C10#12.2 C10#13.2 C10#14.2 C10#15.2 C10#16.2 C10#17.2 C10#18.2 C10#19.2 C10#20.2 C10#21.2 C10#22.2 C10#23.2 C10#24.2 C10#25.2 C10#26.2 C10#27.2 C10#28.2 C10#29.2 C10#30.2 C10#31.2 C10#32.2 C15.2 C15#2.2 C15#3.2 C15#4.2 C15#5.2 C15#6.2 C15#7.2 C15#8.2 C15#9.2 C15#10.2 C15#11.2 C15#12.2 C15#13.2 C15#14.2 C15#15.2 C15#16.2 C15#17.2 C15#18.2 C15#19.2 C15#20.2 C15#21.2 C15#22.2 C15#23.2 C15#24.2 C15#25.2 C15#26.2 C15#27.2 C15#28.2 C15#29.2 C15#30.2 C15#31.2 C15#32.2 C19.2 C19#2.2 C19#3.2 C19#4.2 C19#5.2 C19#6.2 C19#7.2 C19#8.2 C19#9.2 C19#10.2 C19#11.2 C19#12.2 C19#13.2 C19#14.2 C19#15.2 C19#16.2 C19#17.2 C19#18.2 C19#19.2 C19#20.2 C19#21.2 C19#22.2 C19#23.2 C19#24.2 C19#25.2 C19#26.2 C19#27.2 C19#28.2 C19#29.2 C19#30.2 C19#31.2 C19#32.2 C20.2 C20#2.2 C20#3.2 C20#4.2 C20#5.2 C20#6.2 C20#7.2 C20#8.2 C20#9.2 C20#10.2 C20#11.2 C20#12.2 C20#13.2 C20#14.2 C20#15.2 C20#16.2 C20#17.2 C20#18.2 C20#19.2 C20#20.2 C20#21.2 C20#22.2 C20#23.2 C20#24.2 C20#25.2 C20#26.2 C20#27.2 C20#28.2 C20#29.2 C20#30.2 C20#31.2 C20#32.2 C21.2 C21#2.2 C21#3.2 C21#4.2 C21#5.2 C21#6.2 C21#7.2 C21#8.2 C21#9.2 C21#10.2 C21#11.2 C21#12.2 C21#13.2 C21#14.2 C21#15.2 C21#16.2 C21#17.2 C21#18.2 C21#19.2 C21#20.2 C21#21.2 C21#22.2 C21#23.2 C21#24.2 C21#25.2 C21#26.2 C21#27.2 C21#28.2 C21#29.2 C21#30.2 C21#31.2 C21#32.2 D4.2 D4#2.2 D4#3.2 D4#4.2 D4#5.2 D4#6.2 D4#7.2 D4#8.2 D4#9.2 D4#10.2 D4#11.2 D4#12.2 D4#13.2 D4#14.2 D4#15.2 D4#16.2 D4#17.2 D4#18.2 D4#19.2 D4#20.2 D4#21.2 D4#22.2 D4#23.2 D4#24.2 D4#25.2 D4#26.2 D4#27.2 D4#28.2 D4#29.2 D4#30.2 D4#31.2 D4#32.2 D7.4 D7#2.4 D7#3.4 D7#4.4 D7#5.4 D7#6.4 D7#7.4 D7#8.4 D7#9.4 D7#10.4 D7#11.4 D7#12.4 D7#13.4 D7#14.4 D7#15.4 D7#16.4 D7#17.4 D7#18.4 D7#19.4 D7#20.4 D7#21.4 D7#22.4 D7#23.4 D7#24.4 D7#25.4 D7#26.4 D7#27.4 D7#28.4 D7#29.4 D7#30.4 D7#31.4 D7#32.4 H2.3 H2#2.3 H2#3.3 H2#4.3 H2#5.3 H2#6.3 H2#7.3 H2#8.3 H2#9.3 H2#10.3 H2#11.3 H2#12.3 H2#13.3 H2#14.3 H2#15.3 H2#16.3 H2#17.3 H2#18.3 H2#19.3 H2#20.3 H2#21.3 H2#22.3 H2#23.3 H2#24.3 H2#25.3 H2#26.3 H2#27.3 H2#28.3 H2#29.3 H2#30.3 H2#31.3 H2#32.3 L2.1 L2#2.1 L2#3.1 L2#4.1 L2#5.1 L2#6.1 L2#7.1 L2#8.1 L2#9.1 L2#10.1 L2#11.1 L2#12.1 L2#13.1 L2#14.1 L2#15.1 L2#16.1 L2#17.1 L2#18.1 L2#19.1 L2#20.1 L2#21.1 L2#22.1 L2#23.1 L2#24.1 L2#25.1 L2#26.1 L2#27.1 L2#28.1 L2#29.1 L2#30.1 L2#31.1 L2#32.1 P1.2 P1#2.2 P1#3.2 P1#4.2 P1#5.2 P1#6.2 P1#7.2 P1#8.2 P1#9.2 P1#10.2 P1#11.2 P1#12.2 P1#13.2 P1#14.2 P1#15.2 P1#16.2 P1#17.2 P1#18.2 P1#19.2 P1#20.2 P1#21.2 P1#22.2 P1#23.2 P1#24.2 P1#25.2 P1#26.2 P1#27.2 P1#28.2 P1#29.2 P1#30.2 P1#31.2 P1#32.2 R10.1 R10#2.1 R10#3.1 R10#4.1 R10#5.1 R10#6.1 R10#7.1 R10#8.1 R10#9.1 R10#10.1 R10#11.1 R10#12.1 R10#13.1 R10#14.1 R10#15.1 R10#16.1 R10#17.1 R10#18.1 R10#19.1 R10#20.1 R10#21.1 R10#22.1 R10#23.1 R10#24.1 R10#25.1 R10#26.1 R10#27.1 R10#28.1 R10#29.1 R10#30.1 R10#31.1 R10#32.1 R11.1 R11#2.1 R11#3.1 R11#4.1 R11#5.1 R11#6.1 R11#7.1 R11#8.1 R11#9.1 R11#10.1 R11#11.1 R11#12.1 R11#13.1 R11#14.1 R11#15.1 R11#16.1 R11#17.1 R11#18.1 R11#19.1 R11#20.1 R11#21.1 R11#22.1 R11#23.1 R11#24.1 R11#25.1 R11#26.1 R11#27.1 R11#28.1 R11#29.1 R11#30.1 R11#31.1 R11#32.1 R12.1 R12#2.1 R12#3.1 R12#4.1 R12#5.1 R12#6.1 R12#7.1 R12#8.1 R12#9.1 R12#10.1 R12#11.1 R12#12.1 R12#13.1 R12#14.1 R12#15.1 R12#16.1 R12#17.1 R12#18.1 R12#19.1 R12#20.1 R12#21.1 R12#22.1 R12#23.1 R12#24.1 R12#25.1 R12#26.1 R12#27.1 R12#28.1 R12#29.1 R12#30.1 R12#31.1 R12#32.1 R24.1 R24#2.1 R24#3.1 R24#4.1 R24#5.1 R24#6.1 R24#7.1 R24#8.1 R24#9.1 R24#10.1 R24#11.1 R24#12.1 R24#13.1 R24#14.1 R24#15.1 R24#16.1 R24#17.1 R24#18.1 R24#19.1 R24#20.1 R24#21.1 R24#22.1 R24#23.1 R24#24.1 R24#25.1 R24#26.1 R24#27.1 R24#28.1 R24#29.1 R24#30.1 R24#31.1 R24#32.1 R25.1 R25#2.1 R25#3.1 R25#4.1 R25#5.1 R25#6.1 R25#7.1 R25#8.1 R25#9.1 R25#10.1 R25#11.1 R25#12.1 R25#13.1 R25#14.1 R25#15.1 R25#16.1 R25#17.1 R25#18.1 R25#19.1 R25#20.1 R25#21.1 R25#22.1 R25#23.1 R25#24.1 R25#25.1 R25#26.1 R25#27.1 R25#28.1 R25#29.1 R25#30.1 R25#31.1 R25#32.1 SW1.2 SW1#2.2 SW1#3.2 SW1#4.2 SW1#5.2 SW1#6.2 SW1#7.2 SW1#8.2 SW1#9.2 SW1#10.2 SW1#11.2 SW1#12.2 SW1#13.2 SW1#14.2 SW1#15.2 SW1#16.2 SW1#17.2 SW1#18.2 SW1#19.2 SW1#20.2 SW1#21.2 SW1#22.2 SW1#23.2 SW1#24.2 SW1#25.2 SW1#26.2 SW1#27.2 SW1#28.2 SW1#29.2 SW1#30.2 SW1#31.2 SW1#32.2 U1.5 U1#2.5 U1#3.5 U1#4.5 U1#5.5 U1#6.5 U1#7.5 U1#8.5 U1#9.5 U1#10.5 U1#11.5 U1#12.5 U1#13.5 U1#14.5 U1#15.5 U1#16.5 U1#17.5 U1#18.5 U1#19.5 U1#20.5 U1#21.5 U1#22.5 U1#23.5 U1#24.5 U1#25.5 U1#26.5 U1#27.5 U1#28.5 U1#29.5 U1#30.5 U1#31.5 U1#32.5 U2.2 U2.3 U2.17 U2#2.2 U2#2.3 U2#2.17 U2#3.2 U2#3.3 U2#3.17 U2#4.2 U2#4.3 U2#4.17 U2#5.2 U2#5.3 U2#5.17 U2#6.2 U2#6.3 U2#6.17 U2#7.2 U2#7.3 U2#7.17 U2#8.2 U2#8.3 U2#8.17 U2#9.2 U2#9.3 U2#9.17 U2#10.2 U2#10.3 U2#10.17 U2#11.2 U2#11.3 U2#11.17 U2#12.2 U2#12.3 U2#12.17 U2#13.2 U2#13.3 U2#13.17 U2#14.2 U2#14.3 U2#14.17 U2#15.2 U2#15.3 U2#15.17 U2#16.2 U2#16.3 U2#16.17 U2#17.2 U2#17.3 U2#17.17 U2#18.2 U2#18.3 U2#18.17 U2#19.2 U2#19.3 U2#19.17 U2#20.2 U2#20.3 U2#20.17 U2#21.2 U2#21.3 U2#21.17 U2#22.2 U2#22.3 U2#22.17 U2#23.2 U2#23.3 U2#23.17 U2#24.2 U2#24.3 U2#24.17 U2#25.2 U2#25.3 U2#25.17 U2#26.2 U2#26.3 U2#26.17 U2#27.2 U2#27.3 U2#27.17 U2#28.2 U2#28.3 U2#28.17 U2#29.2 U2#29.3 U2#29.17 U2#30.2 U2#30.3 U2#30.17 U2#31.2 U2#31.3 U2#31.17 U2#32.2 U2#32.3 U2#32.17 U3.9 U3.10 U3#2.9 U3#2.10 U3#3.9 U3#3.10 U3#4.9 U3#4.10 U3#5.9 U3#5.10 U3#6.9 U3#6.10 U3#7.9 U3#7.10 U3#8.9 U3#8.10 U3#9.9 U3#9.10 U3#10.9 U3#10.10 U3#11.9 U3#11.10 U3#12.9 U3#12.10 U3#13.9 U3#13.10 U3#14.9 U3#14.10 U3#15.9 U3#15.10 U3#16.9 U3#16.10 U3#17.9 U3#17.10 U3#18.9 U3#18.10 U3#19.9 U3#19.10 U3#20.9 U3#20.10 U3#21.9 U3#21.10 U3#22.9 U3#22.10 U3#23.9 U3#23.10 U3#24.9 U3#24.10 U3#25.9 U3#25.10 U3#26.9 U3#26.10 U3#27.9 U3#27.10 U3#28.9 U3#28.10 U3#29.9 U3#29.10 U3#30.9 U3#30.10 U3#31.9 U3#31.10 U3#32.9 U3#32.10 U6.5 U6#2.5 U6#3.5 U6#4.5 U6#5.5 U6#6.5 U6#7.5 U6#8.5 U6#9.5 U6#10.5 U6#11.5 U6#12.5 U6#13.5 U6#14.5 U6#15.5 U6#16.5 U6#17.5 U6#18.5 U6#19.5 U6#20.5 U6#21.5 U6#22.5 U6#23.5 U6#24.5 U6#25.5 U6#26.5 U6#27.5 U6#28.5 U6#29.5 U6#30.5 U6#31.5 U6#32.5 U7.3 U7#2.3 U7#3.3 U7#4.3 U7#5.3 U7#6.3 U7#7.3 U7#8.3 U7#9.3 U7#10.3 U7#11.3 U7#12.3 U7#13.3 U7#14.3 U7#15.3 U7#16.3 U7#17.3 U7#18.3 U7#19.3 U7#20.3 U7#21.3 U7#22.3 U7#23.3 U7#24.3 U7#25.3 U7#26.3 U7#27.3 U7#28.3 U7#29.3 U7#30.3 U7#31.3 U7#32.3 U8.1 U8.24 U8.36 U8.48 U8#2.1 U8#2.24 U8#2.36 U8#2.48 U8#3.1 U8#3.24 U8#3.36 U8#3.48 U8#4.1 U8#4.24 U8#4.36 U8#4.48 U8#5.1 U8#5.24 U8#5.36 U8#5.48 U8#6.1 U8#6.24 U8#6.36 U8#6.48 U8#7.1 U8#7.24 U8#7.36 U8#7.48 U8#8.1 U8#8.24 U8#8.36 U8#8.48 U8#9.1 U8#9.24 U8#9.36 U8#9.48 U8#10.1 U8#10.24 U8#10.36 U8#10.48 U8#11.1 U8#11.24 U8#11.36 U8#11.48 U8#12.1 U8#12.24 U8#12.36 U8#12.48 U8#13.1 U8#13.24 U8#13.36 U8#13.48 U8#14.1 U8#14.24 U8#14.36 U8#14.48 U8#15.1 U8#15.24 U8#15.36 U8#15.48 U8#16.1 U8#16.24 U8#16.36 U8#16.48 U8#17.1 U8#17.24 U8#17.36 U8#17.48 U8#18.1 U8#18.24 U8#18.36 U8#18.48 U8#19.1 U8#19.24 U8#19.36 U8#19.48 U8#20.1 U8#20.24 U8#20.36 U8#20.48 U8#21.1 U8#21.24 U8#21.36 U8#21.48 U8#22.1 U8#22.24 U8#22.36 U8#22.48 U8#23.1 U8#23.24 U8#23.36 U8#23.48 U8#24.1 U8#24.24 U8#24.36 U8#24.48 U8#25.1 U8#25.24 U8#25.36 U8#25.48 U8#26.1 U8#26.24 U8#26.36 U8#26.48 U8#27.1 U8#27.24 U8#27.36 U8#27.48 U8#28.1 U8#28.24 U8#28.36 U8#28.48 U8#29.1 U8#29.24 U8#29.36 U8#29.48 U8#30.1 U8#30.24 U8#30.36 U8#30.48 U8#31.1 U8#31.24 U8#31.36 U8#31.48 U8#32.1 U8#32.24 U8#32.36 U8#32.48
+5V: C9.2 C9#2.2 C9#3.2 C9#4.2 C9#5.2 C9#6.2 C9#7.2 C9#8.2 C9#9.2 C9#10.2 C9#11.2 C9#12.2 C9#13.2 C9#14.2 C9#15.2 C9#16.2 C9#17.2 C9#18.2 C9#19.2 C9#20.2 C9#21.2 C9#22.2 C9#23.2 C9#24.2 C9#25.2 C9#26.2 C9#27.2 C9#28.2 C9#29.2 C9#30.2 C9#31.2 C9#32.2 C11.2 C11#2.2 C11#3.2 C11#4.2 C11#5.2 C11#6.2 C11#7.2 C11#8.2 C11#9.2 C11#10.2 C11#11.2 C11#12.2 C11#13.2 C11#14.2 C11#15.2 C11#16.2 C11#17.2 C11#18.2 C11#19.2 C11#20.2 C11#21.2 C11#22.2 C11#23.2 C11#24.2 C11#25.2 C11#26.2 C11#27.2 C11#28.2 C11#29.2 C11#30.2 C11#31.2 C11#32.2 C14.2 C14#2.2 C14#3.2 C14#4.2 C14#5.2 C14#6.2 C14#7.2 C14#8.2 C14#9.2 C14#10.2 C14#11.2 C14#12.2 C14#13.2 C14#14.2 C14#15.2 C14#16.2 C14#17.2 C14#18.2 C14#19.2 C14#20.2 C14#21.2 C14#22.2 C14#23.2 C14#24.2 C14#25.2 C14#26.2 C14#27.2 C14#28.2 C14#29.2 C14#30.2 C14#31.2 C14#32.2 H2.1 H2#2.1 H2#3.1 H2#4.1 H2#5.1 H2#6.1 H2#7.1 H2#8.1 H2#9.1 H2#10.1 H2#11.1 H2#12.1 H2#13.1 H2#14.1 H2#15.1 H2#16.1 H2#17.1 H2#18.1 H2#19.1 H2#20.1 H2#21.1 H2#22.1 H2#23.1 H2#24.1 H2#25.1 H2#26.1 H2#27.1 H2#28.1 H2#29.1 H2#30.1 H2#31.1 H2#32.1 J1.3 J1#2.3 J1#3.3 J1#4.3 J1#5.3 J1#6.3 J1#7.3 J1#8.3 J1#9.3 J1#10.3 J1#11.3 J1#12.3 J1#13.3 J1#14.3 J1#15.3 J1#16.3 J1#17.3 J1#18.3 J1#19.3 J1#20.3 J1#21.3 J1#22.3 J1#23.3 J1#24.3 J1#25.3 J1#26.3 J1#27.3 J1#28.3 J1#29.3 J1#30.3 J1#31.3 J1#32.3 J3.2 J3#2.2 J3#3.2 J3#4.2 J3#5.2 J3#6.2 J3#7.2 J3#8.2 J3#9.2 J3#10.2 J3#11.2 J3#12.2 J3#13.2 J3#14.2 J3#15.2 J3#16.2 J3#17.2 J3#18.2 J3#19.2 J3#20.2 J3#21.2 J3#22.2 J3#23.2 J3#24.2 J3#25.2 J3#26.2 J3#27.2 J3#28.2 J3#29.2 J3#30.2 J3#31.2 J3#32.2 R4.1 R4#2.1 R4#3.1 R4#4.1 R4#5.1 R4#6.1 R4#7.1 R4#8.1 R4#9.1 R4#10.1 R4#11.1 R4#12.1 R4#13.1 R4#14.1 R4#15.1 R4#16.1 R4#17.1 R4#18.1 R4#19.1 R4#20.1 R4#21.1 R4#22.1 R4#23.1 R4#24.1 R4#25.1 R4#26.1 R4#27.1 R4#28.1 R4#29.1 R4#30.1 R4#31.1 R4#32.1 U5.5 U5#2.5 U5#3.5 U5#4.5 U5#5.5 U5#6.5 U5#7.5 U5#8.5 U5#9.5 U5#10.5 U5#11.5 U5#12.5 U5#13.5 U5#14.5 U5#15.5 U5#16.5 U5#17.5 U5#18.5 U5#19.5 U5#20.5 U5#21.5 U5#22.5 U5#23.5 U5#24.5 U5#25.5 U5#26.5 U5#27.5 U5#28.5 U5#29.5 U5#30.5 U5#31.5 U5#32.5
/5V_EN: U5.3 U5#2.3 U5#3.3 U5#4.3 U5#5.3 U5#6.3 U5#7.3 U5#8.3 U5#9.3 U5#10.3 U5#11.3 U5#12.3 U5#13.3 U5#14.3 U5#15.3 U5#16.3 U5#17.3 U5#18.3 U5#19.3 U5#20.3 U5#21.3 U5#22.3 U5#23.3 U5#24.3 U5#25.3 U5#26.3 U5#27.3 U5#28.3 U5#29.3 U5#30.3 U5#31.3 U5#32.3 U8.38 U8#2.38 U8#3.38 U8#4.38 U8#5.38 U8#6.38 U8#7.38 U8#8.38 U8#9.38 U8#10.38 U8#11.38 U8#12.38 U8#13.38 U8#14.38 U8#15.38 U8#16.38 U8#17.38 U8#18.38 U8#19.38 U8#20.38 U8#21.38 U8#22.38 U8#23.38 U8#24.38 U8#25.38 U8#26.38 U8#27.38 U8#28.38 U8#29.38 U8#30.38 U8#31.38 U8#32.38
/VIN: C1.2 C1#2.2 C1#3.2 C1#4.2 C1#5.2 C1#6.2 C1#7.2 C1#8.2 C1#9.2 C1#10.2 C1#11.2 C1#12.2 C1#13.2 C1#14.2 C1#15.2 C1#16.2 C1#17.2 C1#18.2 C1#19.2 C1#20.2 C1#21.2 C1#22.2 C1#23.2 C1#24.2 C1#25.2 C1#26.2 C1#27.2 C1#28.2 C1#29.2 C1#30.2 C1#31.2 C1#32.2 C2.1 C2#2.1 C2#3.1 C2#4.1 C2#5.1 C2#6.1 C2#7.1 C2#8.1 C2#9.1 C2#10.1 C2#11.1 C2#12.1 C2#13.1 C2#14.1 C2#15.1 C2#16.1 C2#17.1 C2#18.1 C2#19.1 C2#20.1 C2#21.1 C2#22.1 C2#23.1 C2#24.1 C2#25.1 C2#26.1 C2#27.1 C2#28.1 C2#29.1 C2#30.1 C2#31.1 C2#32.1 C4.2 C4#2.2 C4#3.2 C4#4.2 C4#5.2 C4#6.2 C4#7.2 C4#8.2 C4#9.2 C4#10.2 C4#11.2 C4#12.2 C4#13.2 C4#14.2 C4#15.2 C4#16.2 C4#17.2 C4#18.2 C4#19.2 C4#20.2 C4#21.2 C4#22.2 C4#23.2 C4#24.2 C4#25.2 C4#26.2 C4#27.2 C4#28.2 C4#29.2 C4#30.2 C4#31.2 C4#32.2 D1.1 D1#2.1 D1#3.1 D1#4.1 D1#5.1 D1#6.1 D1#7.1 D1#8.1 D1#9.1 D1#10.1 D1#11.1 D1#12.1 D1#13.1 D1#14.1 D1#15.1 D1#16.1 D1#17.1 D1#18.1 D1#19.1 D1#20.1 D1#21.1 D1#22.1 D1#23.1 D1#24.1 D1#25.1 D1#26.1 D1#27.1 D1#28.1 D1#29.1 D1#30.1 D1#31.1 D1#32.1 L1.1 L1#2.1 L1#3.1 L1#4.1 L1#5.1 L1#6.1 L1#7.1 L1#8.1 L1#9.1 L1#10.1 L1#11.1 L1#12.1 L1#13.1 L1#14.1 L1#15.1 L1#16.1 L1#17.1 L1#18.1 L1#19.1 L1#20.1 L1#21.1 L1#22.1 L1#23.1 L1#24.1 L1#25.1 L1#26.1 L1#27.1 L1#28.1 L1#29.1 L1#30.1 L1#31.1 L1#32.1 Q1.3 Q1#2.3 Q1#3.3 Q1#4.3 Q1#5.3 Q1#6.3 Q1#7.3 Q1#8.3 Q1#9.3 Q1#10.3 Q1#11.3 Q1#12.3 Q1#13.3 Q1#14.3 Q1#15.3 Q1#16.3 Q1#17.3 Q1#18.3 Q1#19.3 Q1#20.3 Q1#21.3 Q1#22.3 Q1#23.3 Q1#24.3 Q1#25.3 Q1#26.3 Q1#27.3 Q1#28.3 Q1#29.3 Q1#30.3 Q1#31.3 Q1#32.3 R21.2 R21#2.2 R21#3.2 R21#4.2 R21#5.2 R21#6.2 R21#7.2 R21#8.2 R21#9.2 R21#10.2 R21#11.2 R21#12.2 R21#13.2 R21#14.2 R21#15.2 R21#16.2 R21#17.2 R21#18.2 R21#19.2 R21#20.2 R21#21.2 R21#22.2 R21#23.2 R21#24.2 R21#25.2 R21#26.2 R21#27.2 R21#28.2 R21#29.2 R21#30.2 R21#31.2 R21#32.2 U1.1 U1.3 U1#2.1 U1#2.3 U1#3.1 U1#3.3 U1#4.1 U1#4.3 U1#5.1 U1#5.3 U1#6.1 U1#6.3 U1#7.1 U1#7.3 U1#8.1 U1#8.3 U1#9.1 U1#9.3 U1#10.1 U1#10.3 U1#11.1 U1#11.3 U1#12.1 U1#12.3 U1#13.1 U1#13.3 U1#14.1 U1#14.3 U1#15.1 U1#15.3 U1#16.1 U1#16.3 U1#17.1 U1#17.3 U1#18.1 U1#18.3 U1#19.1 U1#19.3 U1#20.1 U1#20.3 U1#21.1 U1#21.3 U1#22.1 U1#22.3 U1#23.1 U1#23.3 U1#24.1 U1#24.3 U1#25.1 U1#25.3 U1#26.1 U1#26.3 U1#27.1 U1#27.3 U1#28.1 U1#28.3 U1#29.1 U1#29.3 U1#30.1 U1#30.3 U1#31.1 U1#31.3 U1#32.1 U1#32.3 U5.6 U5#2.6 U5#3.6 U5#4.6 U5#5.6 U5#6.6 U5#7.6 U5#8.6 U5#9.6 U5#10.6 U5#11.6 U5#12.6 U5#13.6 U5#14.6 U5#15.6 U5#16.6 U5#17.6 U5#18.6 U5#19.6 U5#20.6 U5#21.6 U5#22.6 U5#23.6 U5#24.6 U5#25.6 U5#26.6 U5#27.6 U5#28.6 U5#29.6 U5#30.6 U5#31.6 U5#32.6
